# Altium PCB E103-W02.PcbDoc (part 1 of 2) (continued)
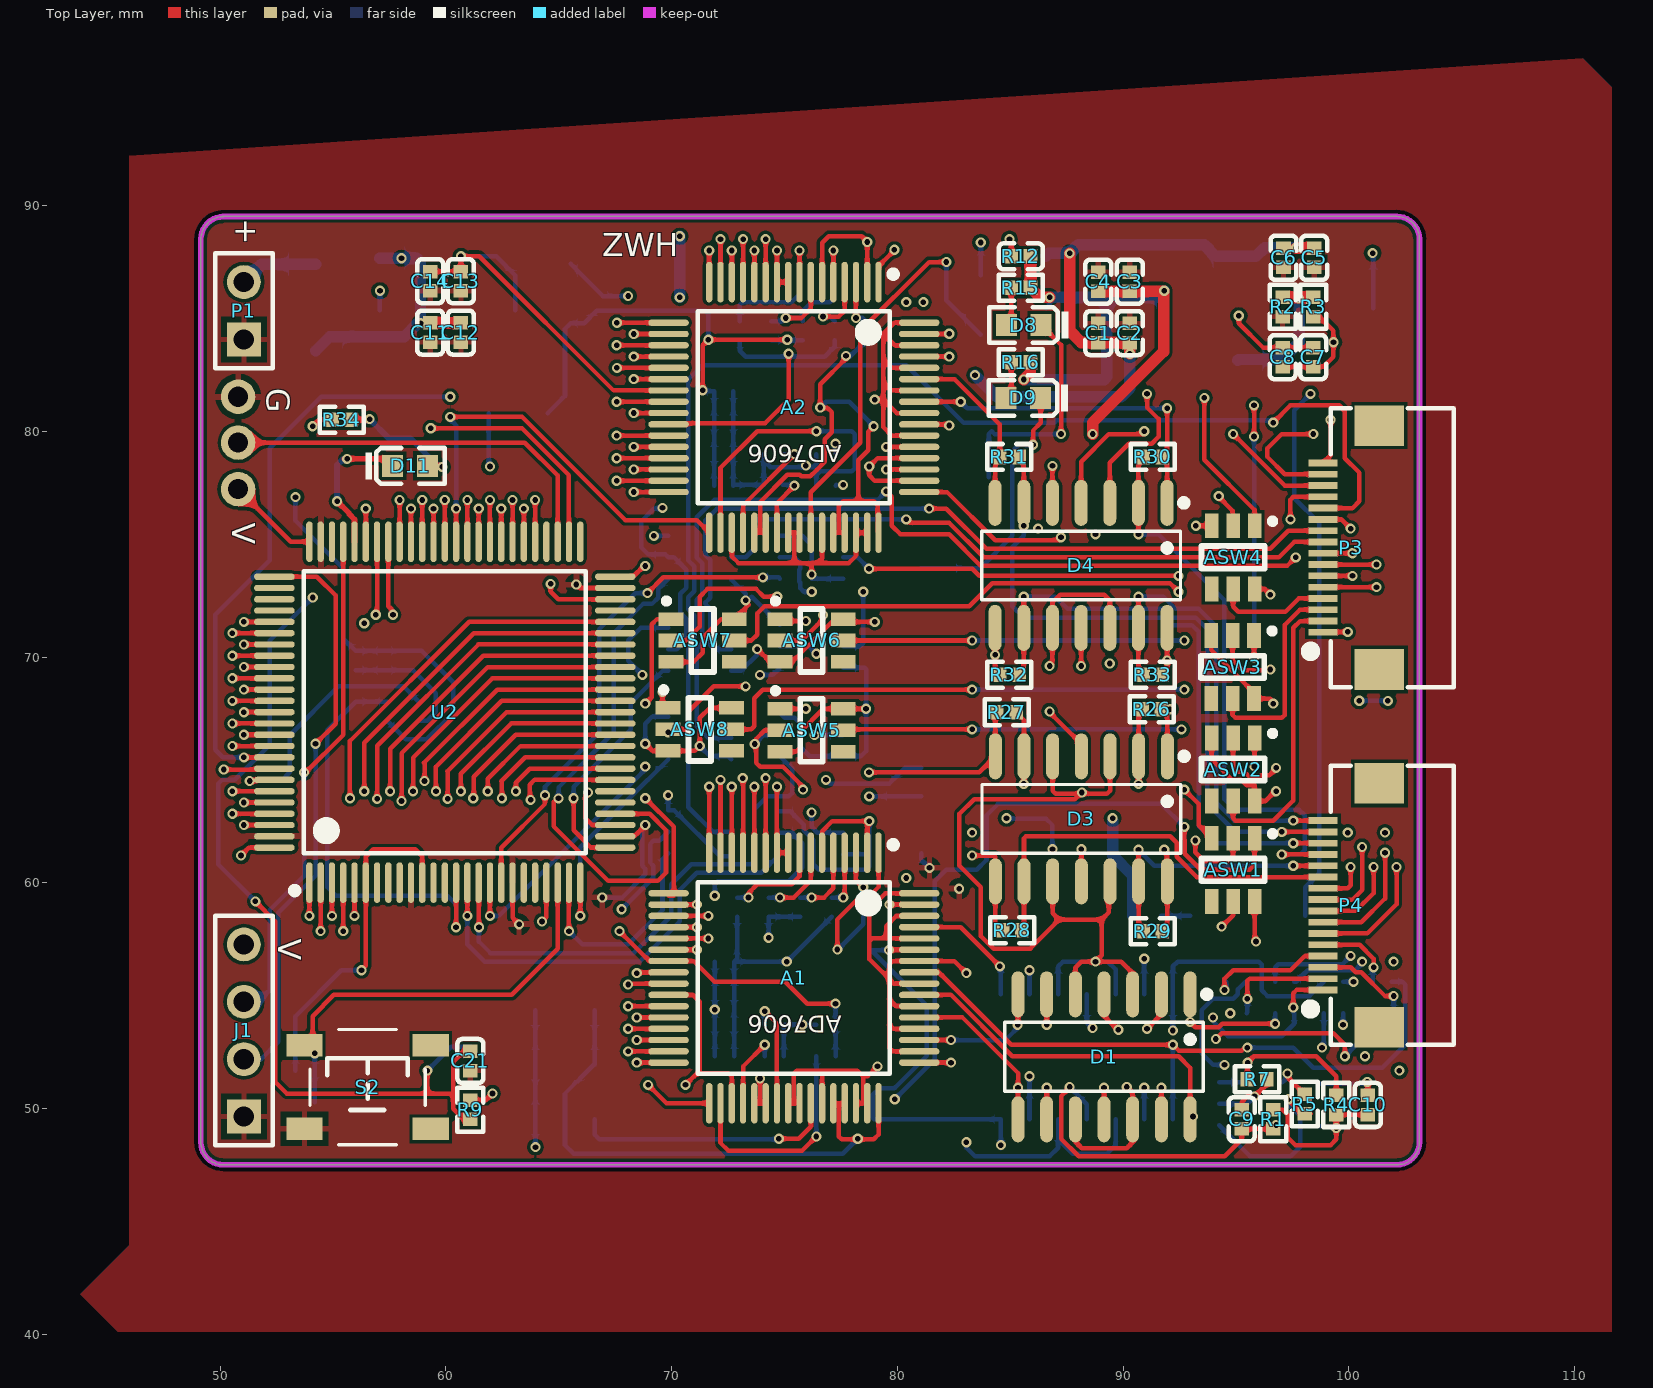
[diagram p0: Top Layer view]
## Nets (pads, with @x,y where several pads share a name; then routed paths per layer and width w, separated by ;. In a path a pad name is that pad's centre, name@x,y a point inside that pad or via, vN(x,y) a via of type N, cw(c..) or ccw(c..) an arc to the next point about the centre after c; other vN are vias at no path point) (continued)
  Signal Layer 1 w0.2: v1(56.454,76.581) 56.454,73.975 59.832,70.597 70.216,70.597 74.665,75.046 v1(74.665,88.011)
ADC2_D0: A2.16 U2.81 | length 35.2
  Top Layer w0.2: v1(50.546,71.064) U2.81@52.404,71.064 ; A2.16@71.665,86.614 v1(71.665,88.011)
  Signal Layer 1 w0.2: v1(50.546,71.064) 55.316,71.064 55.88,71.628 55.88,78.183 65.708,88.011 v1(71.665,88.011)
ADC2_D1: A2.17 U2.82 | length 34.4
  Top Layer w0.2: v1(51.054,70.564) U2.82@52.404,70.564 ; v1(67.574,84.814) A2.17@69.865,84.814
  Signal Layer 2 w0.2: v1(51.054,70.564) 65.103,70.564 66.167,71.628 66.167,75.517 64.77,76.914 64.77,82.493 67.092,84.814 v1(67.574,84.814)
ADC2_D2: A2.18 U2.83 | length 35.5
  Top Layer w0.2: v1(50.546,70.064) U2.83@52.404,70.064 ; v1(68.326,84.314) A2.18@69.865,84.314
  Signal Layer 2 w0.2: v1(50.546,70.064) 65.365,70.064 66.548,71.247 66.548,75.692 65.151,77.089 65.151,82.296 67.169,84.314 v1(68.326,84.314)
ADC2_D3: A2.19 U2.84 | length 34.5
  Top Layer w0.2: v1(51.054,69.564) U2.84@52.404,69.564 ; v1(67.564,83.814) A2.19@69.865,83.814
  Signal Layer 2 w0.2: v1(51.054,69.564) 65.484,69.564 66.929,71.009 66.929,75.819 65.532,77.216 65.532,82.042 67.304,83.814 v1(67.564,83.814)
ADC2_D4: A2.20 U2.85 | length 35.5
  Top Layer w0.2: v1(50.546,69.064) U2.85@52.404,69.064 ; v1(68.326,83.314) A2.20@69.865,83.314
  Signal Layer 2 w0.2: v1(50.546,69.064) 65.548,69.064 67.31,70.826 67.31,73.395 67.299,73.405 67.299,74.677 67.31,74.687 67.31,75.946 65.913,77.343 65.913,81.788 67.439,83.314 v1(68.326,83.314)
ADC2_D5: A2.21 U2.86 | length 34.5
  Top Layer w0.2: v1(51.054,68.564) U2.86@52.404,68.564 ; v1(67.574,82.814) A2.21@69.865,82.814
  Signal Layer 2 w0.2: v1(51.054,68.564) 65.643,68.564 67.691,70.612 67.691,73.512 67.652,73.551 67.652,74.531 67.691,74.57 67.691,76.073 66.294,77.47 66.294,81.534 v1(67.574,82.814)
ADC2_D6: A2.22 U2.87 | length 35.4
  Top Layer w0.2: v1(50.546,68.064) U2.87@52.404,68.064 ; v1(68.326,82.314) A2.22@69.865,82.314
  Signal Layer 2 w0.2: v1(50.546,68.064) 65.778,68.064 68.072,70.358 68.072,73.629 68.004,73.697 68.004,74.385 68.072,74.453 68.072,76.2 66.675,77.597 66.675,81.026 67.963,82.314 v1(68.326,82.314)
ADC2_D7: A2.24 U2.88 | length 34.1
  Top Layer w0.2: v1(51.054,67.564) U2.88@52.404,67.564 ; v1(67.564,81.314) A2.24@69.865,81.314
  Signal Layer 2 w0.2: v1(51.054,67.564) 65.786,67.564 68.453,70.231 68.453,73.747 68.357,73.843 68.357,74.239 68.453,74.335 68.453,76.327 67.056,77.724 67.056,80.806 v1(67.564,81.314)
ADC2_D8: A2.25 U2.55 | length 9.5
  Top Layer w0.2: U2.55@63.954,75.114 v1(63.954,76.962) ; v1(68.326,80.814) A2.25@69.865,80.814
  Signal Layer 1 w0.2: v1(63.954,76.962) 63.954,77.248 67.521,80.814 v1(68.326,80.814)
ADC2_D9: A2.27 U2.56 | length 12
  Top Layer w0.2: U2.56@63.454,75.114 v1(63.454,76.581) ; v1(67.564,79.814) A2.27@69.865,79.814
  Signal Layer 1 w0.2: v1(63.454,76.581) 63.454,75.738 63.471,75.738 63.569,75.837 65.931,75.837 65.954,75.86 65.954,78.613 67.156,79.814 v1(67.564,79.814)
ADC2_D10: A2.28 U2.57 | length 14.1
  Top Layer w0.2: U2.57@62.954,75.114 v1(62.954,76.962) ; v1(68.326,79.314) A2.28@69.865,79.314
  Signal Layer 1 w0.2: v1(62.954,76.962) 62.954,75.438 63.208,75.184 63.415,75.184 63.715,75.484 66.213,75.484 66.802,76.073 66.802,76.454 66.304,76.952 66.304,78.314 67.304,79.314 v1(68.326,79.314)
ADC2_D11: A2.29 U2.58 | length 14.2
  Top Layer w0.2: U2.58@62.454,75.114 v1(62.454,76.581) ; v1(67.564,78.814) A2.29@69.865,78.814
  Signal Layer 1 w0.2: v1(62.454,76.581) 62.454,74.96 62.611,74.803 63.533,74.803 63.861,75.132 66.369,75.132 67.183,75.946 67.183,76.581 66.675,77.089 66.675,78.105 67.384,78.814 v1(67.564,78.814)
ADC2_D12: A2.30 U2.59 | length 15.7
  Top Layer w0.2: U2.59@61.954,75.114 v1(61.954,76.962) ; v1(68.326,78.314) A2.30@69.865,78.314
  Signal Layer 1 w0.2: v1(61.954,76.962) 61.976,76.94 61.976,74.676 62.23,74.422 63.65,74.422 64.007,74.779 66.524,74.779 67.574,75.829 67.574,76.698 67.056,77.216 67.056,77.978 67.392,78.314 v1(68.326,78.314)
ADC2_D13: A2.31 U2.60 | length 15.6
  Top Layer w0.2: U2.60@61.454,75.114 v1(61.454,76.581) ; v1(67.564,77.814) A2.31@69.865,77.814
  Signal Layer 1 w0.2: v1(61.454,76.581) 61.454,74.295 61.708,74.041 63.767,74.041 64.153,74.427 66.67,74.427 67.945,75.702 67.945,76.962 67.564,77.343 v1(67.564,77.814)
ADC2_D14: A2.32 U2.61 | length 16.4
  Top Layer w0.2: U2.61@60.954,75.114 v1(60.954,76.962) ; v1(68.326,77.314) A2.32@69.865,77.314
  Signal Layer 1 w0.2: v1(60.954,76.962) 60.954,73.92 61.214,73.66 63.885,73.66 64.299,74.075 66.836,74.075 68.326,75.565 v1(68.326,77.314)
ADC2_D15: A2.33 U2.62 | length 19.2
  Top Layer w0.2: v1(60.198,80.645) 63.373,80.645 67.945,76.073 71.106,76.073 A2.33@71.665,75.514 ; U2.62@60.454,75.114 v1(60.454,76.581)
  Bottom Layer w0.2: v1(60.198,80.645) 60.198,80.518 60.454,80.262 v1(60.454,76.581)
ADC2_FRST: A2.15 U2.63 | length 35.1
  Top Layer w0.2: U2.63@59.954,75.114 v1(59.954,76.962) ; A2.15@72.165,86.614 v1(72.165,88.519)
  Signal Layer 1 w0.2: v1(59.954,76.962) 59.954,73.65 60.833,72.771 63.494,72.771 64.445,73.722 67.369,73.722 68.733,72.359 69.311,72.359 72.165,75.213 v1(72.165,88.519)
ADC2_RD: A2.12 U2.66 | length 36.6
  Top Layer w0.2: U2.66@58.454,75.114 v1(58.454,76.581) ; A2.12@73.665,86.614 v1(73.665,88.011)
  Signal Layer 1 w0.2: v1(58.454,76.581) 58.454,73.245 60.398,71.301 69.777,71.301 73.665,75.189 v1(73.665,88.011)
ADC2_RST: A2.11 U2.67 | length 39.9
  Top Layer w0.2: U2.67@57.954,75.114 v1(57.954,76.962) ; A2.11@74.165,86.614 v1(74.165,88.519)
  Signal Layer 1 w0.2: v1(57.954,76.962) 57.954,73.11 60.115,70.949 70.06,70.949 74.165,75.054 v1(74.165,88.519)
AGND: A1.2 A1.6 A1.26 A1.35 A1.40 A1.41 A1.43 A1.46 A1.47 A1.50 A1.52 A1.54 A1.56 A1.58 A1.60 A1.62 A1.64 A2.2 A2.6 A2.26 A2.35 A2.40 A2.41 A2.43 A2.46 A2.47 A2.50 A2.52 A2.54 A2.56 A2.58 A2.60 A2.62 A2.64 ASW1.3 ASW1.6 ASW2.3 ASW2.6 ASW3.3 ASW3.6 ASW4.3 ASW4.6 ASW5.3 ASW5.6 ASW6.3 ASW6.6 ASW7.3 ASW7.6 ASW8.3 ASW8.6 ASW9.3 ASW9.6 ASW10.3 ASW10.6 ASW11.3 ASW11.6 ASW12.3 ASW12.6 ASW13.3 ASW13.6 ASW14.3 ASW14.6 ASW15.3 ASW15.6 ASW16.3 ASW16.6 C7.1 C8.1 C9.1 C10.1 C15.2 C16.1 C17.1 C18.1 C19.1 C23.2 C24.2 C25.2 C32.2 C33.2 C34.2 C35.1 C36.1 C37.1 C38.1 C39.2 C40.2 C41.2 C42.2 C43.2 D1.11 D2.11 D3.11 D4.11 OS1.2 OS5.2 OS6.2 OS10.2 R3.2 R7.2 U1.2 | length 229.9
  Top Layer w0.2: v1(68.834,66.167) 69.149,65.852 ASW8.3@69.847,65.852 71.032,65.852 71.247,66.067 71.247,67.31 71.689,67.752 ASW8.6@72.647,67.752 ; A1.26@69.865,55.041 70.943,55.041 71.247,54.737 71.247,51.689 71.137,51.579 ; A2.26@69.865,80.314 69.914,80.362 74.139,80.362 75.184,81.407 v1(75.184,83.439) ; ASW7.3@69.974,69.789 70.972,69.789 71.374,70.191 71.374,70.866 72.197,71.689 ASW7.6@72.774,71.689 73.406,72.321 73.279,72.448 v1(73.279,72.517) ; v1(70.612,51.054) 71.137,51.579 ; A1.35@72.665,50.241 72.665,51.431 72.517,51.579 71.137,51.579 ; A2.35@72.665,75.514 72.665,74.462 72.959,74.168 75.438,74.168 ; v1(73.787,70.358) 74.356,69.789 ASW6.3@74.8,69.789 75.333,69.789 77.233,71.689 ASW6.6@77.6,71.689 77.725,71.564 v1(78.994,71.564) ; ASW5.3@74.8,65.813 75.509,65.813 75.692,65.996 75.692,66.683 76.722,67.713 ASW5.6@77.6,67.713 v1(78.613,67.713) ; A1.40@75.165,50.241 75.415,50.241 ; A2.40@75.165,75.514 75.415,75.514 ; A1.41@75.665,50.241 75.415,50.241 ; A2.41@75.665,75.514 75.415,75.514 ; v1(76.2,73.66) 76.2,74.041 76.073,74.168 ; A1.43@76.665,50.241 76.665,51.579 76.556,51.689 ; A1.6@76.665,61.341 76.665,62.297 77.106,62.738 v1(78.752,62.738) 78.665,62.651 A1.2@78.665,61.341 ; A2.43@76.665,75.514 76.665,74.379 76.454,74.168 ; A2.6@76.665,86.614 76.665,88.349 76.962,88.646 78.411,88.646 v1(78.665,88.392) A2.2@78.665,86.614 ; A1.46@78.165,50.241 78.486,50.241 ; A1.47@78.665,50.241 78.486,50.241 ; A2.47@78.665,75.514 A2.46@78.165,75.514 78.165,74.482 77.851,74.168 76.454,74.168 ; v1@78.867,81.407 v1(78.994,81.407) 79.375,81.407 ; v1(79.121,51.873) 78.677,51.43 78.486,51.43 ; A1.50@80.965,52.541 79.793,52.541 79.629,52.705 79.629,53.721 ; A1.52@80.965,53.541 79.809,53.541 79.629,53.721 ; A1.54@80.965,54.541 79.952,54.541 79.629,54.864 ; A1.56@80.965,55.541 79.841,55.541 79.629,55.753 ; A1.60@80.965,57.541 79.502,57.541 ; A1.62@80.965,58.541 79.958,58.541 79.502,58.085 79.502,57.541 ; A1.64@80.965,59.541 79.472,59.541 78.752,58.822 78.752,57.404 ; A2.50@80.965,77.814 80.959,77.82 78.988,77.82 78.752,78.056 v1(78.752,78.446) 79.121,78.814 A2.52@80.965,78.814 ; A2.54@80.965,79.814 79.756,79.814 79.375,80.195 79.375,81.407 ; A2.56@80.965,80.814 79.968,80.814 79.375,81.407 ; A2.58@80.965,81.814 79.73,81.814 79.375,82.169 ; A2.60@80.965,82.814 79.746,82.814 79.375,83.185 ; A2.62@80.965,83.814 79.882,83.814 79.375,84.321 ; A2.64@80.965,84.814 79.868,84.814 79.375,84.321 ; v1(83.058,56.007) 82.524,56.541 A1.58@80.965,56.541 79.8,56.541 79.629,56.37 79.629,55.753 ; v1@88.138,61.499 v1(88.148,61.489) D3.11@88.148,60.071 ; v1(88.138,69.611) D4.11@88.138,71.297 ; D1.11@89.154,49.53 v1(89.154,50.927) ; v1(92.71,64.135) 93.345,63.5 93.345,62.553 ASW1.3@93.919,61.979 ; v1(93.221,75.822) ASW4.3@93.919,75.822 ; ASW3.3@93.896,70.964 93.896,70.321 95.796,68.421 ASW3.6@95.796,68.164 96.52,68.164 96.647,68.037 v1(96.647,67.945) ; ASW2.3@93.919,66.424 93.919,65.466 94.821,64.564 95.232,64.564 95.475,64.321 95.819,64.321 ASW2.6@95.819,63.624 96.29,63.624 v1@96.73,64.064 ; C9.1@95.25,49.955 95.25,50.292 95.504,50.546 v1(95.819,50.546) 96.266,50.993 96.266,51.22 R7.2@96.354,51.308 ; ASW1.6@95.819,59.179 95.819,57.47 v1(95.885,57.404) ; ASW4.6@95.819,73.022 96.269,73.022 v1(96.52,72.771) ; C8.1@97.062,82.865 C7.1@98.419,82.865 98.867,82.865 99.314,83.312 v1(99.314,83.947) 99.314,84.455 98.681,85.088 R3.2@98.419,85.088 ; C10.1@100.838,50.59 v1@100.838,51.181 ; 75.415,50.241 75.415,51.557 75.548,51.689 76.556,51.689 ; 75.415,75.514 75.438,75.492 75.438,74.168 ; 75.438,74.168 76.073,74.168 ; 76.073,74.168 76.454,74.168 ; 76.556,51.689 78.227,51.689 78.486,51.43 ; 78.486,50.241 78.486,51.43 ; 78.752,57.404 78.752,56.63 79.629,55.753 ; 78.752,57.404 78.89,57.541 79.502,57.541 ; 79.375,81.407 79.375,82.169 ; 79.375,82.169 79.375,83.185 ; 79.375,83.185 79.375,84.321 ; 79.629,53.721 79.629,54.864 ; 79.629,54.864 79.629,55.753
  Bottom Layer w0.2: C39.2@61.898,80.814 61.898,78.502 v1(61.954,78.446) ; v1(63.968,48.3) C25.2@63.968,49.53 C23.2@63.968,51.943 C15.2@63.968,54.356 ; 65.532,87.416 66.951,85.997 v1(68.072,85.997) ; v1(68.707,69.215) 68.078,69.844 68.078,70.745 68.641,71.308 ASW10.3@69.847,71.308 ; v1(68.834,66.167) 68.834,67.056 69.149,67.371 ASW11.3@69.847,67.371 ; v1(69.215,75.371) ASW9.3@69.847,75.371 ; v1@69.847,64.008 v1(69.847,63.881) ASW12.3@69.847,63.211 70.123,63.211 72.149,61.185 72.647,61.185 ASW12.6@72.647,61.311 ; v1(71.247,66.064) 71.697,65.614 72.504,65.614 ASW11.6@72.647,65.471 ; ASW10.6@72.647,69.408 73.082,69.408 73.787,70.113 v1(73.787,70.358) ; ASW9.6@72.647,73.471 72.647,73.439 73.279,72.807 v1(73.279,72.517) 73.391,72.517 73.555,72.68 ASW14.3@74.8,71.435 ; C35.1@72.732,81.788 C38.1@72.732,78.994 C37.1@72.732,77.597 72.765,77.63 C42.2@74.08,77.63 C43.2@74.08,78.714 ; C18.1@72.764,52.324 C17.1@72.764,53.721 C19.1@72.764,55.118 C16.1@72.764,56.515 ; OS1.2@72.898,58.503 72.898,56.649 C16.1@72.764,56.515 ; OS6.2@73.025,84.03 73.025,83.567 73.28,83.312 76.784,83.312 77.216,83.744 OS10.2@77.216,84.03 ; C43.2@74.08,78.994 C43.2@74.08,78.714 ; ASW16.3@74.8,63.18 75.25,63.18 75.848,62.582 75.848,62.338 76.267,61.918 76.267,60.833 76.521,60.579 78.613,60.579 78.752,60.718 78.752,61.214 ; ASW15.3@74.8,67.514 75.004,67.31 75.446,67.31 75.692,67.064 75.692,66.04 76.118,65.614 ASW15.6@77.6,65.614 78.387,65.614 78.613,65.84 v1(78.613,67.713) 78.613,69.469 78.547,69.535 ASW14.6@77.6,69.535 ; ASW13.3@74.8,75.371 75.783,75.371 76.2,74.954 v1(76.2,73.66) 76.2,73.475 76.204,73.471 ASW13.6@77.6,73.471 ; C33.2@74.974,52.324 C32.2@74.974,53.721 C24.2@76.41,53.721 ; C40.2@76.41,78.994 76.41,78.609 76.435,78.584 76.267,78.417 74.378,78.417 C43.2@74.08,78.714 ; OS5.2@77.089,58.503 v1(75.101,56.515) C16.1@72.764,56.515 ; ASW16.6@77.6,61.28 78.686,61.28 78.752,61.214 ; v1(78.752,62.738) 78.752,61.214 ; C41.2@83.693,86.908 v1(83.693,88.365) ; D2.11@88.392,55.068 88.392,53.828 v1(88.646,53.574) ; U1.2@94.251,50.216 95.489,50.216 v1(95.819,50.546) ; 98.699,51.115 100.748,51.115 v1(100.814,51.181)
  other v1: 75.783,53.721 96.774,64.064 75.946,78.486
AVCC_5: A1.1 A1.37 A1.38 A1.44 A1.45 A1.48 A2.1 A2.37 A2.38 A2.44 A2.45 A2.48 ASW1.2 ASW2.2 ASW3.2 ASW4.2 ASW5.2 ASW6.2 ASW7.2 ASW8.2 ASW9.2 ASW10.2 ASW11.2 ASW12.2 ASW13.2 ASW14.2 ASW15.2 ASW16.2 C7.2 C8.2 C9.2 C15.1 C16.2 C17.2 C18.2 C19.2 C23.1 C34.1 C35.2 C36.2 C37.2 C38.2 C39.1 D1.4 D2.4 D3.4 D4.4 OS2.2 OS3.2 OS4.2 OS7.2 OS8.2 OS9.2 R1.2 U1.5 VR2.2 | length 186.3
  Top Layer w0.2: ASW8.2@69.847,66.802 70.7,66.802 70.739,66.841 70.739,67.578 71.868,68.707 v1(73.279,68.707) ; ASW7.2@69.974,70.739 70.63,70.739 71.247,71.356 71.247,72.68 71.589,73.022 73.74,73.022 74.081,72.68 v1(74.676,72.68) ; v1(71.374,81.82) 71.374,83.808 v1(71.628,84.062) v1(75.12,84.062) ; A1.37@73.665,50.241 73.915,50.241 ; A2.37@73.665,75.514 73.915,75.514 ; v1@73.914,51.308 73.915,51.307 73.915,50.241 ; A1.38@74.165,50.241 73.915,50.241 ; A2.38@74.165,75.514 73.915,75.514 ; ASW5.2@74.8,66.763 74.126,66.763 73.74,66.377 73.74,65.327 73.918,65.148 74.933,65.148 75.819,64.262 v1(75.819,64.135) ; ASW6.2@74.8,70.739 75.758,70.739 76.423,71.404 76.708,71.689 v1(76.708,71.868) v1@76.722,71.882 ; A1.44@77.165,50.241 77.408,50.241 ; A2.44@77.165,75.514 77.415,75.514 ; v1(77.343,57.055) 77.343,58.379 78.303,59.34 78.684,59.34 79.165,59.821 A1.1@79.165,61.341 ; A1.45@77.665,50.241 77.408,50.241 ; A2.45@77.665,75.514 77.415,75.514 ; v1(77.724,83.346) 77.724,83.229 76.581,82.086 v1(76.581,81.058) 76.581,81.026 76.919,81.026 77.089,80.856 77.089,79.962 76.783,79.656 76.783,78.651 76.423,78.292 76.423,78.288 76.144,78.009 75.748,78.009 75.682,78.074 75.128,78.074 73.915,76.862 73.915,75.514 ; v1(78.948,80.228) 78.711,79.991 78.711,79.167 78.273,78.728 78.273,76.904 ; A1.48@79.165,50.241 79.165,48.858 78.948,48.641 77.535,48.641 77.408,48.768 77.408,50.241 ; A2.48@79.165,75.514 79.121,75.559 79.121,76.731 78.948,76.904 78.273,76.904 ; A2.1@79.165,86.614 79.165,87.308 v1@79.868,88.011 ; v1@86.741,67.564 88.148,66.157 D3.4@88.148,65.609 ; v1@87.63,50.927 87.249,50.546 87.249,48.67 88.026,47.893 94.502,47.893 95.25,48.641 C9.2@95.25,49.105 R1.2@96.647,49.105 ; D4.4@88.138,76.835 88.138,78.659 89.362,79.883 v1@90.932,79.883 ; D1.4@89.154,55.068 89.154,54.102 v1@89.789,53.467 ; v1@93.201,61.849 93.201,61.361 93.596,60.966 94.236,60.966 94.27,60.931 94.586,60.931 94.869,61.214 ASW1.2@94.869,61.979 ; v1@94.234,77.102 94.846,76.49 94.846,75.845 ASW4.2@94.869,75.822 ; ASW3.2@94.846,70.964 94.846,69.869 95.29,69.425 v1@96.52,69.425 ; ASW2.2@94.869,66.802 ASW2.2@94.869,66.424 94.869,65.014 94.967,64.916 95.378,64.916 95.621,64.674 96.017,64.674 96.113,64.77 96.48,64.77 v1@96.774,65.064 ; v1@95.123,85.09 95.123,84.788 96.196,83.715 C8.2@97.062,83.715 C7.2@98.419,83.715 ; 77.415,75.514 77.408,75.522 77.408,76.715 77.597,76.904 78.273,76.904
  Signal Layer 2 w0.2: v1(67.788,58.833) 71.914,54.706 v1(71.914,54.388) ; v1(76.204,72.898) 76.708,72.394 v1(76.708,71.868) 76.708,70.451 v1(76.41,70.153)
  Bottom Layer w0.2: C39.1@64.518,80.814 65.278,81.574 65.278,84.542 65.532,84.796 66.127,84.796 66.675,85.344 71.501,85.344 71.628,85.217 v1(71.628,84.062) v1@71.628,84.03 ; C15.1@66.588,54.356 C23.1@66.588,51.943 66.548,51.943 65.278,50.673 65.278,48.387 65.659,48.006 77.574,48.006 v1(78.242,48.673) ; v1(67.788,58.833) 68.078,59.123 68.078,59.125 69.186,60.234 69.186,60.765 69.045,60.907 69.045,61.716 69.192,61.864 69.449,61.864 ASW12.2@69.847,62.261 ; v1@69.596,76.581 69.215,76.581 68.647,76.013 68.647,74.863 68.961,74.549 69.719,74.549 ASW9.2@69.847,74.421 70.104,74.421 70.649,73.876 70.649,73.067 70.387,72.804 70.387,71.975 70.649,71.713 70.649,70.903 70.387,70.641 70.387,70.514 70.231,70.358 ASW10.2@69.847,70.358 ; v1@71.374,81.788 C35.2@71.882,81.788 C38.2@71.882,78.994 C37.2@71.882,77.597 ; C18.2@71.914,52.324 C17.2@71.914,53.721 v1(71.914,54.388) C19.2@71.914,55.118 C16.2@71.914,56.515 ; v1(71.914,59.436) 71.914,59.944 72.041,60.071 75.184,60.071 75.783,60.67 75.783,61.763 75.316,62.23 ASW16.2@74.8,62.23 ; v1(73.68,66.153) 74.091,66.564 ASW15.2@74.8,66.564 ; v1@74.295,57.541 v1(74.295,57.574) OS4.2@74.295,58.503 OS3.2@75.692,58.503 ; OS9.2@74.422,84.03 OS8.2@75.819,84.03 ; ASW14.2@74.8,70.485 76.078,70.485 v1(76.41,70.153) ; ASW13.2@74.8,74.421 75.439,74.421 75.692,74.168 75.692,73.906 75.663,73.877 75.663,73.337 75.692,73.308 75.692,73.061 75.855,72.898 v1(76.204,72.898) ; v1(76.581,81.058) 76.837,81.314 77.861,81.314 v1(78.948,80.228) ; v1@77.343,57.023 78.486,58.166 OS2.2@78.486,58.503 ; v1@77.724,83.314 77.897,83.314 OS7.2@78.613,84.03 ; v1(87.63,50.959) 88.392,50.197 D2.4@88.392,49.53 ; v1@101.048,87.864 101.078,87.833 VR2.2@101.078,85.449
  other v1: 96.774,49.276 73.915,51.339 89.789,53.499 93.201,61.881 96.774,65.096 69.847,66.675 86.741,67.596 96.52,69.457 69.596,76.613 94.234,77.134 90.932,80.01 95.123,85.122 101.048,87.896 79.868,88.043
BOOT0: R14.2 U2.94 | length 11.6
  Top Layer w0.2: v1(51.308,64.516) 52.356,64.516 U2.94@52.404,64.564
  Bottom Layer w0.2: v1(51.308,64.516) 52.705,64.516 53.086,64.897 53.086,66.548 55.245,68.707 58.127,68.707 R14.2@58.801,68.033
ENB1_1: ASW1.1 U2.96 | length 73.2
  Top Layer w0.2: v1(51.054,63.564) U2.96@52.404,63.564 ; v1(92.71,62.484) 92.71,61.935 92.723,61.922 92.723,61.299 93.409,60.614 94.09,60.614 ; 94.09,60.579 95.597,60.579 95.819,60.801 ASW1.1@95.819,61.979
  Signal Layer 1 w0.2: v1(51.054,63.564) 52.133,63.564 52.324,63.373 52.324,58.279 52.959,57.644 52.959,50.8 53.721,50.038 79.502,50.038 v1(79.883,50.419)
  Bottom Layer w0.2: v1(79.883,50.419) 81.661,52.197 81.661,60.071 82.169,60.579 83.511,60.579 83.947,61.015 83.947,62.992 84.455,63.5 91.694,63.5 v1(92.71,62.484)
ENB1_2: ASW2.1 U2.95 | length 76.9
  Top Layer w0.2: v1(50.546,64.064) U2.95@52.404,64.064 ; v1(95.819,65.151) ASW2.1@95.819,66.424
  Signal Layer 1 w0.2: v1(50.546,64.064) 49.911,64.064 49.784,63.937 49.784,60.198 52.578,57.404 52.578,50.673 53.594,49.657 80.01,49.657 80.391,50.038 v1(80.391,60.216)
  Signal Layer 2 w0.2: v1(80.391,60.216) 80.391,64.516 81.026,65.151 v1(95.819,65.151)
ENB1_3: ASW3.1 U2.93 | length 83.1
  Top Layer w0.2: v1(50.165,65.024) 52.364,65.024 U2.93@52.404,65.064 ; v1(95.796,69.986) ASW3.1@95.796,70.964 ; v1(95.796,79.776) v1(95.796,81.153)
  Signal Layer 1 w0.2: v1(81.153,85.725) 81.534,85.344 91.605,85.344 v1(95.796,81.153) ; v1@95.787,69.977 v1(95.796,69.986)
  Signal Layer 2 w0.2: v1(50.165,65.024) 50.038,65.024 49.784,65.278 49.784,71.882 52.197,74.295 52.197,79.314 52.385,79.502 59.563,79.502 60.071,80.01 59.69,80.391 59.69,85.217 61.468,86.995 80.391,86.995 81.153,86.233 v1(81.153,85.725)
  Bottom Layer w0.2: v1@95.758,79.814 v1(95.796,79.776) v1(95.796,69.986)
ENB1_4: ASW4.1 U2.92 | length 72.6
  Top Layer w0.2: v1(51.054,65.564) U2.92@52.404,65.564 ; v1(93.599,81.485) 93.599,78.74 95.819,76.52 ASW4.1@95.819,75.822
  Signal Layer 1 w0.2: v1(80.391,85.725) 81.153,84.963 90.121,84.963 v1(93.599,81.485)
  Signal Layer 2 w0.2: v1(60.198,81.534) 60.198,85.223 61.589,86.614 79.774,86.614 80.391,85.997 v1(80.391,85.725)
  Bottom Layer w0.2: v1(51.054,65.564) 50.124,65.564 49.784,65.904 49.784,71.882 52.197,74.295 52.197,79.248 54.483,81.534 v1(60.198,81.534)
ENB1_5: ASW5.1 U2.91 | length 29.5
  Top Layer w0.2: v1(50.546,66.064) U2.91@52.404,66.064 ; ASW5.1@74.8,67.713 v1(75.946,67.713)
  Signal Layer 2 w0.2: v1(50.546,66.064) 53.189,66.064 53.721,65.532 54.483,65.532 54.793,65.842 67.874,65.842 69.745,67.713 v1(75.946,67.713)
ENB1_6: ASW6.1 U2.90 | length 29.5
  Top Layer w0.2: v1(51.054,66.564) U2.90@52.404,66.564 ; ASW6.1@74.8,71.689 74.887,71.602 v1(75.946,71.602)
  Signal Layer 2 w0.2: v1(51.054,66.564) 65.423,66.564 70.461,71.602 v1(75.946,71.602)
ENB1_7: ASW7.1 U2.89 | length 25.1
  Top Layer w0.2: v1(50.546,67.064) U2.89@52.404,67.064 ; v1(68.834,67.945) 69.119,68.231 69.119,71.455 69.353,71.689 ASW7.1@69.974,71.689
  Signal Layer 1 w0.2: v1(50.546,67.064) 54.462,67.064 55.343,67.945 v1(68.834,67.945)
ENB1_8: ASW8.1 U2.80 | length 22.1
  Top Layer w0.2: v1(51.054,71.564) U2.80@52.404,71.564 ; v1(69.596,68.453) 69.596,68.003 ASW8.1@69.847,67.752
  Signal Layer 1 w0.2: v1(56.388,71.501) 59.436,68.453 v1(69.596,68.453)
  Signal Layer 2 w0.2: v1(51.054,71.564) 51.117,71.501 v1(56.388,71.501)
  Bottom Layer w0.2: v1(51.054,71.564) v1@51.117,71.501